# KiCad board uf2-batch-flasher.kicad_pcb (continued)
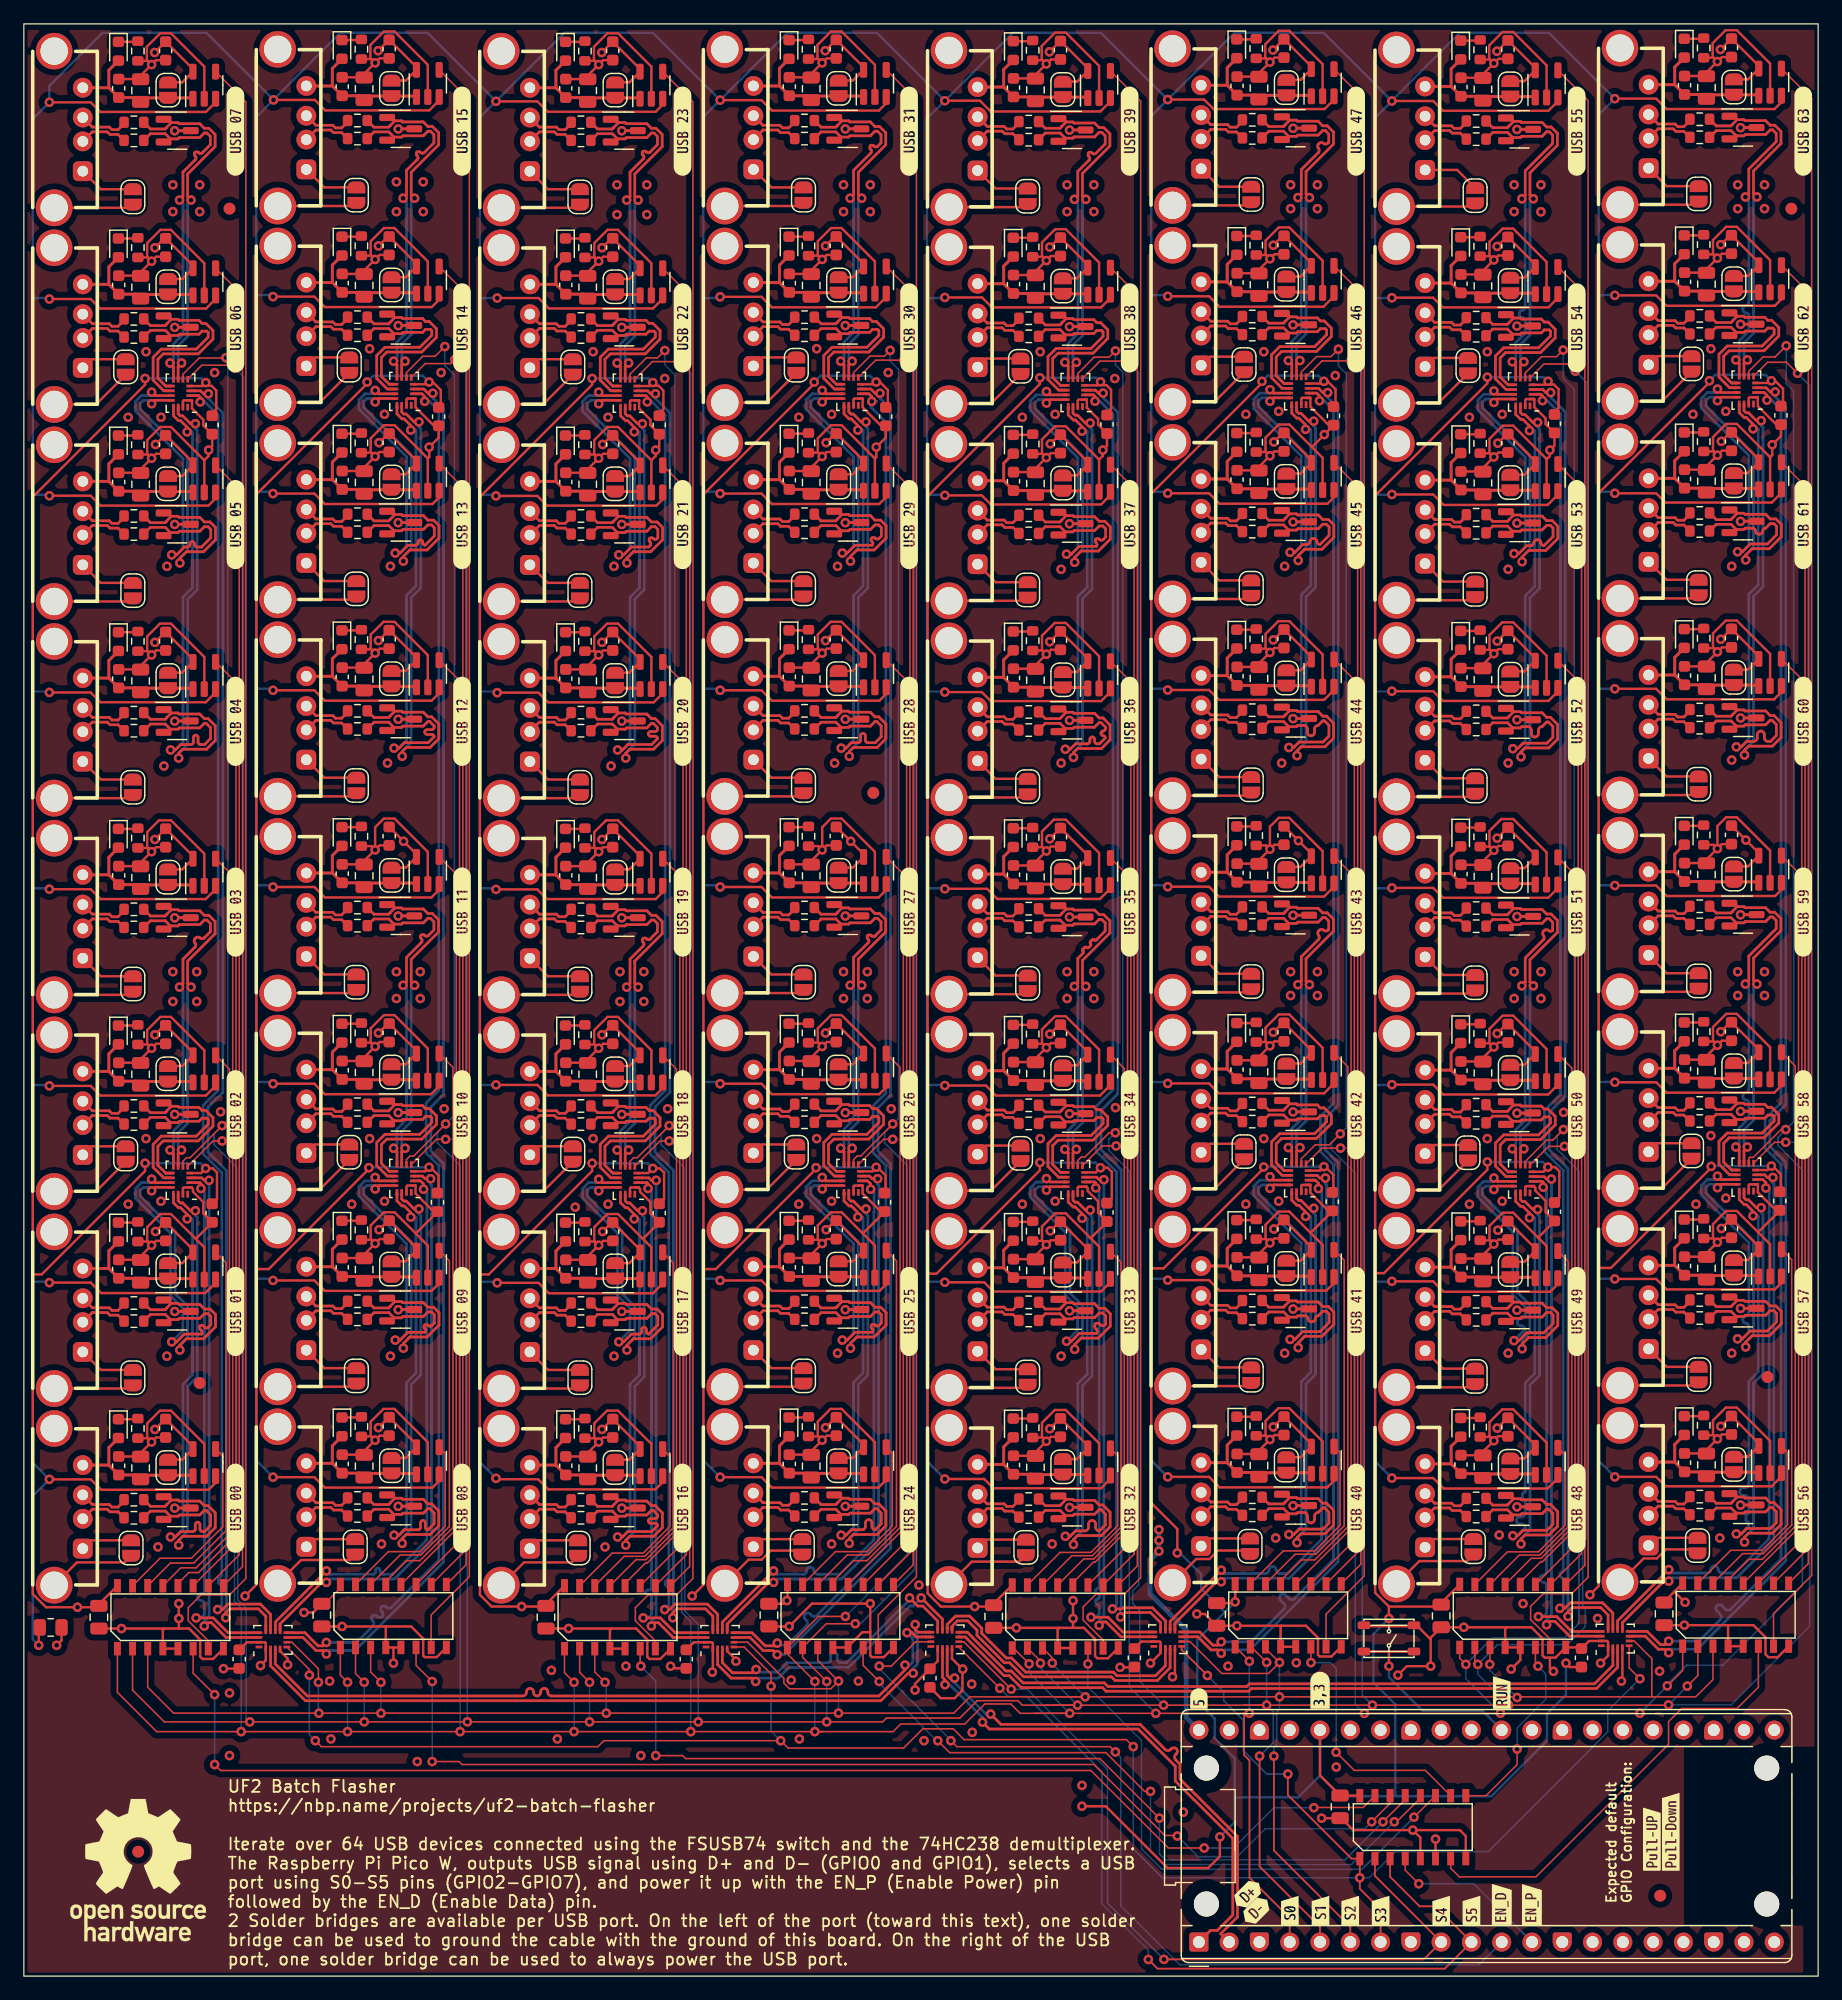
[diagram p0: board, top side]
## Routing (per net, layer and track width the routed paths; a pad name or vN(x,y) marks a point on that pad's centre or on a via; arc(x,y) is an arc through that point) (continued)
/16usb-ports2/4usb-port3/D-: length 118
  Top w0.23: U4403.7 97.54,28.46 97.54,28.47 98.47,28.47 99.57,27.37 100.15,27.37 v1(100.43,27.08) ; v1(109.36,132.82) 108.95,132.82 108.6,133.18 108.14,133.18 108.14,133.18 U5001.3
  Bottom w0.23: v1(109.36,132.82) 109.36,132.42 110.25,131.53 110.25,73.05 109.14,71.94 109.14,69.32 110.25,68.22 110.25,34.78 102.83,27.37 100.72,27.37 v1(100.43,27.08)
/16usb-ports2/4usb-port3/usb-port0/Conn_D+: length 4.1
  Top w0.23: J5701.3 99.55,105.39 100.81,105.39 101.02,105.17 101.71,105.17 R5703.1
/16usb-ports2/4usb-port3/usb-port0/Conn_D-: length 4.2
  Top w0.23: R5704.1 102.21,106.07 101.71,105.56 101.19,105.56 100.97,105.78 99.55,105.78 J5701.2
/16usb-ports2/4usb-port3/usb-port1/Conn_D+: length 4.1
  Top w0.23: R4703.1 101.71,121.66 101.02,121.66 100.81,121.88 99.55,121.88 J4701.3
/16usb-ports2/4usb-port3/usb-port1/Conn_D-: length 4.2
  Top w0.23: J4701.2 99.55,122.28 100.97,122.28 101.19,122.06 101.71,122.06 102.21,122.56 R4704.1
/16usb-ports2/4usb-port3/usb-port2/Conn_D+: length 4.1
  Top w0.23: J5801.3 99.55,138.41 100.81,138.41 101.02,138.19 101.71,138.19 R5803.1
/16usb-ports2/4usb-port3/usb-port2/Conn_D-: length 4.2
  Top w0.23: J5801.2 99.55,138.8 100.97,138.8 101.19,138.59 101.71,138.59 102.21,139.09 R5804.1
/16usb-ports2/4usb-port3/usb-port3/Conn_D+: length 4.1
  Top w0.23: R6203.1 101.71,154.68 101.02,154.68 100.81,154.9 99.55,154.9 J6201.3
/16usb-ports2/4usb-port3/usb-port3/Conn_D-: length 4.2
  Top w0.23: R6204.1 102.21,155.58 101.71,155.08 101.19,155.08 100.97,155.3 99.55,155.3 J6201.2
/16usb-ports2/D+: length 23.2
  Top w0.23: U4403.2 95.75,26.03 94.92,25.19 91.69,25.19 91.39,25.5 84.03,25.5 82.85,26.68 82.4,26.68 80.34,28.74 80.34,29.19 79.33,30.2 78.14,30.2 77.45,29.51 77.45,29.19 77.45,29.19 U102.10
/16usb-ports2/D-: length 23.2
  Top w0.23: U4403.3 96.15,27.07 96.15,27.07 96.15,25.87 95.08,24.8 91.53,24.8 91.22,25.1 83.87,25.1 82.68,26.29 82.24,26.29 79.95,28.58 79.95,29.02 79.17,29.8 78.31,29.8 77.85,29.34 77.85,29.19 77.85,29.19 U102.9
/16usb-ports2/EN_00: length 16.4
  Top w0.125: U4901.4 91.75,43.66 91.75,37.78 89.51,35.54 86.91,35.54 U4401.15
/16usb-ports2/EN_01: length 32.1
  Top w0.125: U4401.14 87.91,35.27 89.62,35.27 92.02,37.67 92.02,59.88 U6301.4
/16usb-ports2/EN_02: length 47.8
  Top w0.125: U4401.13 88.9,34.99 89.74,34.99 92.3,37.56 92.3,76.13 U6001.4
/16usb-ports2/EN_03: length 63.6
  Top w0.125: U6101.4 92.57,92.35 92.57,37.44 89.85,34.72 89.7,34.72 87.98,33 U4401.12
/16usb-ports2/EN_04: length 79.7
  Top w0.125: U4401.11 92.85,36.4 92.85,108.57 U5101.4
/16usb-ports2/EN_05: length 95.9
  Top w0.125: U4401.10 93.12,35.4 93.12,124.79 U5501.4
/16usb-ports2/EN_06: length 112.1
  Top w0.125: U5601.4 93.4,141.04 93.4,34.41 U4401.9
/16usb-ports2/EN_07: length 137.4
  Top w0.125: U6401.4 93.67,157.26 93.67,33.41 92.3,32.03 89.92,32.03 88.85,30.96 88.85,29.86 90.52,28.19 U4401.7
/16usb-ports2/EN_10: length 16.4
  Top w0.125: U5401.4 110.4,43.91 110.4,37.82 108.25,35.66 105.63,35.66 U4402.15
/16usb-ports2/EN_11: length 32.1
  Top w0.125: U4402.14 106.63,35.39 108.36,35.39 110.75,37.78 110.75,60.05 U4601.4
/16usb-ports2/EN_12: length 48
  Top w0.125: U4501.4 111.05,76.28 111.05,37.69 108.27,34.91 107.15,34.91 105.41,33.17 U4402.13
/16usb-ports2/EN_13: length 63.5
  Top w0.125: U5301.4 111.32,92.5 111.32,37.54 U4402.12
/16usb-ports2/EN_14: length 79.7
  Top w0.125: U5701.4 111.6,108.72 111.6,36.55 U4402.11
/16usb-ports2/EN_15: length 95.9
  Top w0.125: U4701.4 111.87,124.94 111.87,35.55 U4402.10
/16usb-ports2/EN_16: length 112.2
  Top w0.125: U5801.4 112.15,141.19 112.15,34.56 U4402.9
/16usb-ports2/EN_17: length 134.7
  Top w0.125: U6201.4 112.42,157.41 112.42,33.56 109.22,30.36 U4402.7
/16usb-ports3/4usb-port0/D0+: length 43.7
  Top w0.23: D8402.2 124.62,38.42 124.88,38.68 ; 124.88,38.68 125.52,38.68 125.63,38.79 127.34,38.79 127.72,39.17 127.88,39.17 128.25,38.81 128.25,37.9 127.75,37.4 125.75,37.4 125.29,36.94 v1(124.89,36.94) ; 124.88,38.68 124.45,39.11 123.2,39.11 R8403.2 ; U8501.13 125.13,65.53 125.13,65.52 125.13,64.98 125.55,64.56 125.73,64.56 126.29,64.01 v1(126.29,63.62)
  Bottom w0.23: v1(126.29,63.62) 126.69,63.62 126.73,63.58 126.73,50.55 125.93,49.75 125.93,40.67 arc(125.9,40.59) 125.82,40.56 arc(125.74,40.52) 125.7,40.44 125.7,40.07 arc(125.74,39.99) 125.82,39.96 arc(125.9,39.92) 125.93,39.84 125.93,38.82 arc(125.84,38.61) 125.63,38.52 125.49,38.52 arc(125.28,38.43) 125.19,38.22 arc(125.28,38.01) 125.49,37.92 125.63,37.92 arc(125.84,37.83) 125.93,37.62 125.93,37.58 125.29,36.94 v1(124.89,36.94)
/16usb-ports3/4usb-port0/D0-: length 43.9
  Top w0.23: 124.96,40.04 125.52,40.04 125.61,39.95 127.34,39.95 127.72,39.57 128.04,39.57 128.64,38.97 128.64,37.73 127.91,37 125.91,37 125.57,36.66 v1(125.57,36.26) ; 124.96,40.04 124.56,39.64 124.56,39.63 124.44,39.51 123.2,39.51 R8404.2 ; 124.96,40.04 124.68,40.32 D8402.1 ; U8501.14 125.53,65.14 125.71,64.96 125.91,64.96 126.57,64.31 v1(126.97,64.31)
  Bottom w0.23: v1(125.57,36.26) 125.57,36.66 126.33,37.42 126.33,49.58 127.13,50.38 127.13,63.75 126.97,63.9 v1(126.97,64.31)
/16usb-ports3/4usb-port0/D1+: length 30.7
  Top w0.23: R6903.2 123.2,55.61 124.45,55.61 124.88,55.18 ; 124.88,55.18 124.62,54.92 D6902.2 ; 124.88,55.18 125.52,55.18 125.63,55.29 127.35,55.29 127.73,55.67 128.04,55.67 128.27,55.44 128.27,54.73 127.49,53.96 126.05,53.96 125.39,53.31 v1(124.99,53.31) ; U8501.11 124.96,66.66 123.59,66.66 v1(123.3,66.95)
  Bottom w0.23: v1(123.3,66.95) 123.02,66.66 122.45,66.66 121.95,66.16 121.95,65.37 124.88,62.43 124.88,57.18 125.92,56.14 125.92,55.44 arc(125.83,55.23) 125.62,55.14 125.56,55.14 arc(125.34,55.05) 125.26,54.84 arc(125.34,54.63) 125.56,54.54 125.62,54.54 arc(125.83,54.45) 125.92,54.24 v1(124.99,53.31)
/16usb-ports3/4usb-port0/D1-: length 31
  Top w0.23: 124.96,56.54 124.56,56.14 124.56,56.13 124.44,56 123.2,56 R6904.2 ; 124.96,56.54 124.68,56.82 D6902.1 ; 124.96,56.54 125.52,56.54 125.61,56.45 127.35,56.45 127.73,56.06 128.2,56.06 128.66,55.61 128.66,54.57 127.66,53.57 126.21,53.57 125.67,53.03 v1(125.67,52.62) ; v1(123.3,65.98) 123.59,66.27 124.96,66.27 U8501.12
  Bottom w0.23: v1(123.3,65.98) 123.02,66.27 122.61,66.27 122.34,66 122.34,65.53 125.27,62.6 125.27,57.34 126.32,56.29 126.32,54.08 125.67,53.43 v1(125.67,52.62)
/16usb-ports3/4usb-port0/D2+: length 16.2
  Top w0.23: 124.88,71.7 125.52,71.7 125.63,71.81 127.28,71.81 127.53,72.07 127.94,72.07 128.05,71.96 128.05,71.57 127.05,70.56 124.12,70.56 123.43,69.87 123.43,67.96 124.32,67.07 124.54,67.07 124.54,67.06 U8501.10 ; 124.88,71.7 124.45,72.14 123.2,72.14 R7003.2 ; 124.88,71.7 124.62,71.44 D7002.2
/16usb-ports3/4usb-port0/D2-: length 16.5
  Top w0.23: 124.96,73.06 125.52,73.06 125.61,72.97 127.28,72.97 127.53,72.72 127.84,72.72 128.45,72.12 128.45,71.4 127.21,70.17 124.28,70.17 123.83,69.71 123.83,68.12 124.48,67.46 124.54,67.46 124.54,67.46 U8501.9 ; 124.96,73.06 124.56,72.67 124.56,72.65 124.44,72.53 123.2,72.53 R7004.2 ; 124.96,73.06 124.68,73.34 D7002.1
/16usb-ports3/4usb-port0/D3+: length 29.7
  Top w0.23: R8003.2 123.2,88.63 124.45,88.63 124.88,88.2 ; U8501.8 125.13,68.04 125.13,69.11 v1(124.85,69.4) ; D8002.2 124.62,87.94 124.88,88.2 ; 124.88,88.2 125.52,88.2 125.63,88.31 127.34,88.31 127.72,88.69 127.94,88.69 128.23,88.4 128.23,87.71 arc(128.06,87.64) 127.88,87.71 arc(127.7,87.78) 127.53,87.71 127.46,87.64 arc(127.38,87.46) 127.46,87.28 arc(127.53,87.11) 127.46,86.93 125.93,85.41 125.93,83.35 v1(125.65,83.06)
  Bottom w0.23: v1(124.85,69.4) 125.13,69.68 125.13,71 125.93,71.8 125.93,82.78 v1(125.65,83.06)
/16usb-ports3/4usb-port0/D3-: length 29.9
  Top w0.23: v1(126.61,83.06) 126.33,83.35 126.33,85.25 128.63,87.55 128.63,88.56 128.11,89.08 127.72,89.08 127.34,89.47 125.61,89.47 125.52,89.56 124.96,89.56 ; D8002.1 124.68,89.84 124.96,89.56 ; U8501.7 125.53,68.04 125.53,69.11 v1(125.81,69.4) ; 124.96,89.56 124.56,89.16 124.56,89.15 124.44,89.02 123.2,89.02 R8004.2
  Bottom w0.23: v1(125.81,69.4) 125.53,69.68 125.53,70.83 126.33,71.63 126.33,82.78 v1(126.61,83.06)
/16usb-ports3/4usb-port0/D+: length 44.5
  Top w0.23: U6503.13 131.89,28.91 131.89,28.91 129.82,28.91 128.58,30.16 v1(127.04,30.16) ; U8501.2 126.92,66.66 126.92,66.67 127.35,66.67 127.44,66.58 v1(127.44,66.17)
  Bottom w0.23: v1(127.04,30.16) 127.44,30.16 127.73,30.44 127.73,32.75 arc(127.64,32.95) 127.44,33.04 arc(127.24,33.12) 127.15,33.32 127.15,33.35 arc(127.24,33.55) 127.44,33.64 arc(127.64,33.72) 127.73,33.92 127.73,65.89 v1(127.44,66.17)
/16usb-ports3/4usb-port0/D-: length 44.5
  Top w0.23: v1(127.72,29.47) 128.01,29.76 128.41,29.76 129.66,28.52 131.89,28.52 131.89,28.51 U6503.14 ; v1(128.12,66.85) 127.72,66.85 127.51,67.06 126.92,67.06 126.92,67.06 U8501.3
  Bottom w0.23: v1(128.12,66.85) 128.12,30.28 127.72,29.88 v1(127.72,29.47)
/16usb-ports3/4usb-port0/usb-port0/Conn_D+: length 4.1
  Top w0.23: J8401.3 118.33,39.27 119.59,39.27 119.81,39.05 120.49,39.05 R8403.1
/16usb-ports3/4usb-port0/usb-port0/Conn_D-: length 4.2
  Top w0.23: J8401.2 118.33,39.67 119.75,39.67 119.97,39.45 120.49,39.45 120.99,39.95 R8404.1
/16usb-ports3/4usb-port0/usb-port1/Conn_D+: length 4.1
  Top w0.23: R6903.1 120.49,55.55 119.81,55.55 119.59,55.77 118.33,55.77 J6901.3
/16usb-ports3/4usb-port0/usb-port1/Conn_D-: length 4.2
  Top w0.23: J6901.2 118.33,56.16 119.75,56.16 119.97,55.94 120.49,55.94 120.99,56.45 R6904.1
/16usb-ports3/4usb-port0/usb-port2/Conn_D+: length 4.1
  Top w0.23: R7003.1 120.49,72.08 119.81,72.08 119.59,72.29 118.33,72.29 J7001.3
/16usb-ports3/4usb-port0/usb-port2/Conn_D-: length 4.2
  Top w0.23: J7001.2 118.33,72.69 119.75,72.69 119.97,72.47 120.49,72.47 120.99,72.98 R7004.1
/16usb-ports3/4usb-port0/usb-port3/Conn_D+: length 4.1
  Top w0.23: J8001.3 118.33,88.79 119.59,88.79 119.81,88.57 120.49,88.57 R8003.1
/16usb-ports3/4usb-port0/usb-port3/Conn_D-: length 4.2
  Top w0.23: R8004.1 120.99,89.47 120.49,88.96 119.97,88.96 119.75,89.18 118.33,89.18 J8001.2
/16usb-ports3/4usb-port1/D0+: length 43.7
  Top w0.23: 124.88,104.7 124.62,104.44 D6602.2 ; 124.88,104.7 124.45,105.13 123.2,105.13 R6603.2 ; 124.88,104.7 125.52,104.7 125.63,104.81 126.14,104.81 arc(126.35,104.72) 126.44,104.51 126.44,104.23 arc(126.53,104.02) 126.74,103.93 arc(126.95,104.02) 127.04,104.23 127.04,104.51 arc(127.13,104.72) 127.34,104.81 127.72,105.19 127.88,105.19 128.25,104.82 128.25,103.91 127.75,103.41 125.75,103.41 125.29,102.96 v1(124.89,102.96) ; U7101.13 125.13,131.54 125.13,131.54 125.13,130.99 125.55,130.58 125.73,130.58 126.29,130.02 v1(126.29,129.64)
  Bottom w0.23: v1(124.89,102.96) 125.29,102.96 125.93,103.6 125.93,115.76 126.73,116.56 126.73,129.6 126.69,129.64 v1(126.29,129.64)
/16usb-ports3/4usb-port1/D0-: length 43.9
  Top w0.23: R6604.2 123.2,105.52 124.44,105.52 124.56,105.65 124.56,105.66 124.96,106.06 ; 124.96,106.06 124.68,106.34 D6602.1 ; 124.96,106.06 125.52,106.06 125.61,105.97 127.34,105.97 127.72,105.58 128.04,105.58 128.64,104.98 128.64,103.75 127.91,103.02 125.91,103.02 125.57,102.68 v1(125.57,102.27) ; U7101.14 125.53,131.16 125.71,130.98 125.91,130.98 126.57,130.32 v1(126.97,130.32)
  Bottom w0.23: v1(125.57,102.27) 125.57,102.68 126.33,103.43 126.33,115.6 127.13,116.4 127.13,129.76 126.97,129.92 v1(126.97,130.32)
/16usb-ports3/4usb-port1/D1+: length 30.7
  Top w0.23: 124.88,121.19 124.45,121.62 123.2,121.62 R6703.2 ; 124.88,121.19 124.62,120.93 D6702.2 ; 124.88,121.19 125.52,121.19 125.63,121.3 127.35,121.3 127.73,121.68 128.04,121.68 128.27,121.46 128.27,120.75 127.49,119.98 arc(127.32,120.05) 127.24,120.22 arc(127.17,120.4) 127,120.47 126.89,120.47 arc(126.72,120.4) 126.64,120.22 arc(126.57,120.05) 126.4,119.98 126.05,119.98 125.39,119.32 v1(124.99,119.32) ; U7101.11 124.96,132.68 123.59,132.68 v1(123.3,132.96)
  Bottom w0.23: v1(123.3,132.96) 123.02,132.68 122.45,132.68 121.95,132.17 121.95,131.38 125.93,127.4 125.93,119.86 125.39,119.32 v1(124.99,119.32)
/16usb-ports3/4usb-port1/D1-: length 31
  Top w0.23: R6704.2 123.2,122.02 124.44,122.02 124.56,122.14 124.56,122.15 124.96,122.55 ; D6702.1 124.68,122.83 124.96,122.55 ; 124.96,122.55 125.52,122.55 125.61,122.46 127.35,122.46 127.73,122.08 128.2,122.08 128.66,121.62 128.66,120.58 127.66,119.58 126.21,119.58 125.67,119.04 v1(125.67,118.64) ; U7101.12 124.96,132.28 123.59,132.28 v1(123.3,132)
  Bottom w0.23: v1(125.67,118.64) 125.67,119.04 126.32,119.69 126.32,127.56 122.34,131.55 122.34,132.01 122.61,132.28 123.02,132.28 v1(123.3,132)
/16usb-ports3/4usb-port1/D2+: length 16.2
  Top w0.23: U7101.10 124.54,133.08 124.54,133.08 124.32,133.08 123.43,133.97 123.43,135.89 124.12,136.58 127.05,136.58 128.05,137.58 128.05,137.97 127.94,138.08 127.53,138.08 127.28,137.83 125.63,137.83 125.52,137.72 124.88,137.72 ; R7903.2 123.2,138.15 124.45,138.15 124.88,137.72 ; 124.88,137.72 124.62,137.46 D7902.2
/16usb-ports3/4usb-port1/D2-: length 16.5
  Top w0.23: 124.96,139.08 125.52,139.08 125.61,138.99 127.28,138.99 127.53,138.74 127.84,138.74 128.45,138.13 128.45,137.42 127.21,136.18 124.28,136.18 123.83,135.73 123.83,134.13 124.48,133.48 124.54,133.48 124.54,133.48 U7101.9 ; 124.96,139.08 124.56,138.68 124.56,138.67 124.44,138.55 123.2,138.55 R7904.2 ; 124.96,139.08 124.68,139.36 D7902.1
/16usb-ports3/4usb-port1/D3+: length 29.7
  Top w0.23: 124.88,154.21 124.45,154.64 123.2,154.64 R7403.2 ; 124.88,154.21 125.52,154.21 125.63,154.32 127.34,154.32 127.72,154.7 127.94,154.7 128.23,154.41 128.23,153.72 125.93,151.42 125.93,149.36 v1(125.65,149.08) ; 124.88,154.21 124.62,153.95 D7402.2 ; v1(124.85,135.41) 125.13,135.13 125.13,134.05 U7101.8
  Bottom w0.23: v1(124.85,135.41) 125.13,135.7 125.13,137.01 125.93,137.81 125.93,138.88 arc(125.86,139.06) 125.68,139.13 arc(125.51,139.2) 125.43,139.38 125.43,139.48 arc(125.51,139.66) 125.68,139.73 arc(125.86,139.8) 125.93,139.98 125.93,148.79 v1(125.65,149.08)
/16usb-ports3/4usb-port1/D3-: length 29.9
  Top w0.23: v1(125.81,135.41) 125.53,135.13 125.53,134.05 U7101.7 ; 124.96,155.57 125.52,155.57 125.61,155.48 127.34,155.48 127.72,155.1 128.11,155.1 128.63,154.58 128.63,153.56 126.33,151.26 126.33,149.36 v1(126.61,149.08) ; 124.96,155.57 124.56,155.17 124.56,155.16 124.44,155.04 123.2,155.04 R7404.2 ; 124.96,155.57 124.68,155.85 D7402.1
  Bottom w0.23: v1(125.81,135.41) 125.53,135.7 125.53,136.85 126.33,137.65 126.33,148.79 v1(126.61,149.08)
/16usb-ports3/4usb-port1/D+: length 111.4
  Top w0.23: v1(127.38,132.15) 127.38,132.55 127.25,132.68 126.92,132.68 126.92,132.68 U7101.2 ; U6503.11 133.28,29.5 133.28,29.51 133.28,30.46 132.42,31.31 129.7,31.31 129.24,30.86 v1(128.84,30.86)
  Bottom w0.23: v1(128.84,30.86) 129.13,31.14 129.13,33.28 128.84,33.57 128.84,33.77 129.13,34.06 129.13,67.57 127.55,69.15 127.55,72.61 128.88,73.94 128.88,131.05 127.78,132.15 v1(127.38,132.15)
/16usb-ports3/4usb-port1/D-: length 111.4
  Top w0.23: v1(128.06,132.83) 127.66,132.83 127.41,133.08 126.92,133.08 126.92,133.08 U7101.3 ; U6503.12 132.88,29.5 132.88,29.51 132.88,30.29 132.26,30.92 129.86,30.92 129.52,30.58 v1(129.52,30.17)
  Bottom w0.23: v1(128.06,132.83) 128.06,132.43 129.28,131.21 129.28,73.78 127.94,72.44 127.94,69.31 129.52,67.73 v1(129.52,30.17)
/16usb-ports3/4usb-port1/usb-port0/Conn_D+: length 4.1
  Top w0.23: J6601.3 118.33,105.29 119.59,105.29 119.81,105.07 120.49,105.07 R6603.1
/16usb-ports3/4usb-port1/usb-port0/Conn_D-: length 4.2
  Top w0.23: R6604.1 120.99,105.97 120.49,105.46 119.97,105.46 119.75,105.68 118.33,105.68 J6601.2
/16usb-ports3/4usb-port1/usb-port1/Conn_D+: length 4.1
  Top w0.23: R6703.1 120.49,121.56 119.81,121.56 119.59,121.78 118.33,121.78 J6701.3
/16usb-ports3/4usb-port1/usb-port1/Conn_D-: length 4.2
  Top w0.23: J6701.2 118.33,122.18 119.75,122.18 119.97,121.96 120.49,121.96 120.99,122.46 R6704.1
/16usb-ports3/4usb-port1/usb-port2/Conn_D+: length 4.1
  Top w0.23: J7901.3 118.33,138.31 119.59,138.31 119.81,138.09 120.49,138.09 R7903.1
/16usb-ports3/4usb-port1/usb-port2/Conn_D-: length 4.2
  Top w0.23: R7904.1 120.99,138.99 120.49,138.49 119.97,138.49 119.75,138.7 118.33,138.7 J7901.2
/16usb-ports3/4usb-port1/usb-port3/Conn_D+: length 4.1
  Top w0.23: J7401.3 118.33,154.8 119.59,154.8 119.81,154.58 120.49,154.58 R7403.1
/16usb-ports3/4usb-port1/usb-port3/Conn_D-: length 4.2
  Top w0.23: R7404.1 120.99,155.48 120.49,154.98 119.97,154.98 119.75,155.2 118.33,155.2 J7401.2
/16usb-ports3/4usb-port2/D0+: length 43.7
  Top w0.23: v1(145.04,63.77) 145.04,64.16 144.48,64.71 144.3,64.71 143.88,65.13 143.88,65.67 143.88,65.68 U8101.13 ; v1(143.64,37.09) 144.04,37.09 144.5,37.55 146.5,37.55 147,38.05 147,38.96 146.63,39.32 146.47,39.32 146.09,38.94 144.38,38.94 144.27,38.83 143.63,38.83 ; 143.63,38.83 143.37,38.57 D7502.2 ; 143.63,38.83 143.2,39.26 141.95,39.26 R7503.2
  Bottom w0.23: v1(145.04,63.77) 145.44,63.77 145.48,63.73 145.48,50.7 144.68,49.9 144.68,41.29 arc(144.59,41.06) 144.36,40.97 144.24,40.97 arc(144.01,40.87) 143.92,40.64 arc(144.01,40.41) 144.24,40.31 144.36,40.31 arc(144.59,40.22) 144.68,39.99 144.68,38.87 arc(144.65,38.79) 144.57,38.75 arc(144.49,38.72) 144.45,38.64 144.45,38.22 arc(144.49,38.14) 144.57,38.1 arc(144.65,38.07) 144.68,37.99 144.68,37.73 144.04,37.09 v1(143.64,37.09)
/16usb-ports3/4usb-port2/D0-: length 43.9
  Top w0.23: v1(145.72,64.46) 145.32,64.46 144.66,65.11 144.46,65.11 144.28,65.29 U8101.14 ; v1(144.32,36.41) 144.32,36.81 144.66,37.15 146.66,37.15 147.39,37.88 147.39,39.12 146.79,39.72 146.47,39.72 146.09,40.1 144.36,40.1 144.27,40.19 143.71,40.19 ; R7504.2 141.95,39.66 143.19,39.66 143.31,39.78 143.31,39.79 143.71,40.19 ; 143.71,40.19 143.43,40.47 D7502.1
  Bottom w0.23: v1(144.32,36.41) 144.32,36.81 145.08,37.57 145.08,49.73 145.88,50.53 145.88,63.9 145.72,64.05 v1(145.72,64.46)
/16usb-ports3/4usb-port2/D1+: length 30.7
  Top w0.23: U8101.11 143.71,66.81 142.34,66.81 v1(142.05,67.1) ; 143.63,55.33 143.2,55.76 141.95,55.76 R8203.2 ; 143.63,55.33 143.37,55.07 D8202.2 ; 143.63,55.33 144.27,55.33 144.38,55.44 146.1,55.44 146.48,55.82 146.79,55.82 147.02,55.59 147.02,54.88 146.24,54.11 144.8,54.11 144.14,53.46 v1(143.74,53.46)
  Bottom w0.23: v1(143.74,53.46) 144.14,53.46 144.68,53.99 144.68,54.52 arc(144.61,54.7) 144.43,54.77 arc(144.26,54.84) 144.18,55.02 144.18,55.12 arc(144.26,55.3) 144.43,55.37 arc(144.61,55.44) 144.68,55.62 144.68,61.53 140.7,65.52 140.7,66.31 141.2,66.81 141.77,66.81 v1(142.05,67.1)
/16usb-ports3/4usb-port2/D1-: length 31
  Top w0.23: D8202.1 143.43,56.97 143.71,56.69 ; U8101.12 143.71,66.42 142.34,66.42 v1(142.05,66.13) ; v1(144.42,52.77) 144.42,53.18 144.96,53.72 146.41,53.72 147.41,54.72 147.41,55.76 146.95,56.21 146.48,56.21 146.1,56.6 144.36,56.6 144.27,56.69 143.71,56.69 ; 143.71,56.69 143.31,56.29 143.31,56.28 143.19,56.15 141.95,56.15 R8204.2
  Bottom w0.23: v1(144.42,52.77) 144.42,53.18 145.07,53.83 145.07,61.7 141.09,65.68 141.09,66.15 141.36,66.42 141.77,66.42 v1(142.05,66.13)
/16usb-ports3/4usb-port2/D2+: length 16.2
  Top w0.23: D6802.2 143.37,71.59 143.63,71.85 ; 143.63,71.85 144.27,71.85 144.38,71.96 146.03,71.96 146.28,72.22 146.69,72.22 146.8,72.11 146.8,71.72 145.8,70.71 142.87,70.71 142.18,70.02 142.18,68.11 143.07,67.22 143.29,67.22 143.29,67.21 U8101.10 ; 143.63,71.85 143.2,72.29 141.95,72.29 R6803.2
/16usb-ports3/4usb-port2/D2-: length 16.5
  Top w0.23: U8101.9 143.29,67.61 143.29,67.61 143.23,67.61 142.58,68.27 142.58,69.86 143.03,70.32 145.96,70.32 147.2,71.55 147.2,72.27 146.59,72.87 146.28,72.87 146.03,73.12 144.36,73.12 144.27,73.21 143.71,73.21 ; D6802.1 143.43,73.49 143.71,73.21 ; 143.71,73.21 143.31,72.82 143.31,72.8 143.19,72.68 141.95,72.68 R6804.2
/16usb-ports3/4usb-port2/D3+: length 29.7
  Top w0.23: 143.63,88.35 143.37,88.09 D7302.2 ; 143.63,88.35 143.2,88.78 141.95,88.78 R7303.2 ; 143.63,88.35 144.27,88.35 144.38,88.46 146.09,88.46 146.47,88.84 146.69,88.84 146.98,88.55 146.98,87.86 144.68,85.56 144.68,83.5 v1(144.4,83.21) ; v1(143.6,69.55) 143.88,69.26 143.88,68.19 U8101.8
  Bottom w0.23: v1(144.4,83.21) 144.68,82.93 144.68,74.34 arc(144.61,74.17) 144.43,74.09 arc(144.26,74.02) 144.18,73.85 144.18,73.74 arc(144.26,73.57) 144.43,73.49 arc(144.61,73.42) 144.68,73.25 144.68,71.95 143.88,71.15 143.88,69.83 v1(143.6,69.55)
/16usb-ports3/4usb-port2/D3-: length 29.9
  Top w0.23: v1(144.56,69.55) 144.28,69.26 144.28,68.19 U8101.7 ; v1(145.36,83.21) 145.08,83.5 145.08,85.4 147.38,87.7 147.38,88.71 146.86,89.23 146.47,89.23 146.09,89.62 144.36,89.62 144.27,89.71 143.71,89.71 ; 143.71,89.71 143.31,89.31 143.31,89.3 143.19,89.17 141.95,89.17 R7304.2 ; 143.71,89.71 143.43,89.99 D7302.1
  Bottom w0.23: v1(144.56,69.55) 144.28,69.83 144.28,70.98 145.08,71.78 145.08,82.93 v1(145.36,83.21)
/16usb-ports3/4usb-port2/D+: length 48.2
  Top w0.23: U6503.10 133.68,29.5 133.68,29.51 133.68,29.81 v1(137.97,34.1) ; U8101.2 145.67,66.81 145.67,66.82 145.85,66.82 146.12,66.55 v1(146.12,66.11)
  Bottom w0.23: v1(146.12,66.11) 146.4,65.82 146.4,64.17 146.38,64.15 146.38,36.7 143.5,33.81 142.4,33.81 arc(142.19,33.9) 142.1,34.11 142.1,34.12 arc(142.01,34.33) 141.8,34.42 arc(141.59,34.33) 141.5,34.12 141.5,34.11 arc(141.41,33.9) 141.2,33.81 138.25,33.81 v1(137.97,34.1)
/16usb-ports3/4usb-port2/D-: length 48.2
  Top w0.23: U6503.9 134.08,29.5 134.08,29.51 134.08,29.65 137.56,33.13 v1(137.97,33.13) ; v1(146.7,66.99) 146.24,66.99 146.02,67.21 145.67,67.21 145.67,67.21 U8101.3
  Bottom w0.23: v1(137.97,33.13) 138.25,33.42 143.66,33.42 146.78,36.53 146.78,63.99 146.8,64.01 146.8,66.43 146.7,66.53 v1(146.7,66.99)
/16usb-ports3/4usb-port2/usb-port0/Conn_D+: length 4.1
  Top w0.23: J7501.3 137.08,39.42 138.34,39.42 138.56,39.2 139.24,39.2 R7503.1
/16usb-ports3/4usb-port2/usb-port0/Conn_D-: length 4.2
  Top w0.23: R7504.1 139.74,40.1 139.24,39.6 138.72,39.6 138.5,39.82 137.08,39.82 J7501.2
/16usb-ports3/4usb-port2/usb-port1/Conn_D+: length 4.1
  Top w0.23: R8203.1 139.24,55.7 138.56,55.7 138.34,55.92 137.08,55.92 J8201.3
/16usb-ports3/4usb-port2/usb-port1/Conn_D-: length 4.2
  Top w0.23: R8204.1 139.74,56.6 139.24,56.09 138.72,56.09 138.5,56.31 137.08,56.31 J8201.2
/16usb-ports3/4usb-port2/usb-port2/Conn_D+: length 4.1
  Top w0.23: J6801.3 137.08,72.44 138.34,72.44 138.56,72.23 139.24,72.23 R6803.1
/16usb-ports3/4usb-port2/usb-port2/Conn_D-: length 4.2
  Top w0.23: J6801.2 137.08,72.84 138.5,72.84 138.72,72.62 139.24,72.62 139.74,73.13 R6804.1
/16usb-ports3/4usb-port2/usb-port3/Conn_D+: length 4.1
  Top w0.23: R7303.1 139.24,88.72 138.56,88.72 138.34,88.94 137.08,88.94 J7301.3
/16usb-ports3/4usb-port2/usb-port3/Conn_D-: length 4.2
  Top w0.23: J7301.2 137.08,89.33 138.5,89.33 138.72,89.11 139.24,89.11 139.74,89.62 R7304.1
/16usb-ports3/4usb-port3/D0+: length 43.7
  Top w0.23: 143.63,104.85 143.2,105.28 141.95,105.28 R7203.2 ; 143.63,104.85 143.37,104.59 D7202.2 ; 143.63,104.85 144.27,104.85 144.38,104.96 146.09,104.96 146.47,105.34 146.63,105.34 147,104.97 147,104.06 146.5,103.56 146.29,103.56 arc(146.08,103.65) 145.99,103.86 145.99,104.14 arc(145.9,104.35) 145.69,104.44 arc(145.48,104.35) 145.39,104.14 145.39,103.86 arc(145.3,103.65) 145.09,103.56 144.5,103.56 144.04,103.11 v1(143.64,103.11) ; v1(145.04,129.79) 145.04,130.17 144.48,130.73 144.3,130.73 143.88,131.14 143.88,131.69 143.88,131.69 U7801.13
  Bottom w0.23: v1(143.64,103.11) 144.04,103.11 144.68,103.75 144.68,115.91 145.48,116.71 145.48,129.75 145.44,129.79 v1(145.04,129.79)
/16usb-ports3/4usb-port3/D0-: length 43.9
  Top w0.23: 143.71,106.21 143.31,105.81 143.31,105.8 143.19,105.67 141.95,105.67 R7204.2 ; 143.71,106.21 144.27,106.21 144.36,106.12 146.09,106.12 146.47,105.73 146.79,105.73 147.39,105.13 147.39,103.9 146.66,103.17 144.66,103.17 144.32,102.83 v1(144.32,102.42) ; 143.71,106.21 143.43,106.49 D7202.1 ; v1(145.72,130.47) 145.32,130.47 144.66,131.13 144.46,131.13 144.28,131.31 U7801.14
  Bottom w0.23: v1(145.72,130.47) 145.72,130.07 145.88,129.91 145.88,116.55 145.08,115.75 145.08,103.58 144.32,102.83 v1(144.32,102.42)
/16usb-ports3/4usb-port3/D1+: length 30.7
  Top w0.23: v1(142.05,133.11) 142.34,132.83 143.71,132.83 U7801.11 ; 143.63,121.34 143.37,121.08 D7702.2 ; 143.63,121.34 144.27,121.34 144.38,121.45 145,121.45 arc(145.18,121.38) 145.25,121.2 arc(145.32,121.03) 145.5,120.95 145.6,120.95 arc(145.78,121.03) 145.85,121.2 arc(145.92,121.38) 146.1,121.45 146.48,121.83 146.79,121.83 147.02,121.61 147.02,120.9 146.24,120.13 144.8,120.13 144.14,119.47 v1(143.74,119.47) ; 143.63,121.34 143.2,121.77 141.95,121.77 R7703.2
  Bottom w0.23: v1(142.05,133.11) 141.77,132.83 141.2,132.83 140.7,132.32 140.7,131.53 144.68,127.55 144.68,120.01 144.14,119.47 v1(143.74,119.47)
/16usb-ports3/4usb-port3/D1-: length 31
  Top w0.23: v1(142.05,132.15) 142.34,132.43 143.71,132.43 U7801.12 ; 143.71,122.7 144.27,122.7 144.36,122.61 146.1,122.61 146.48,122.23 146.95,122.23 147.41,121.77 147.41,120.73 146.41,119.73 144.96,119.73 144.42,119.19 v1(144.42,118.79) ; 143.71,122.7 143.31,122.3 143.31,122.29 143.19,122.17 141.95,122.17 R7704.2 ; 143.71,122.7 143.43,122.98 D7702.1
  Bottom w0.23: v1(142.05,132.15) 141.77,132.43 141.36,132.43 141.09,132.16 141.09,131.7 145.07,127.71 145.07,119.84 144.42,119.19 v1(144.42,118.79)
